# KiCad board SCART_switcher.kicad_pcb
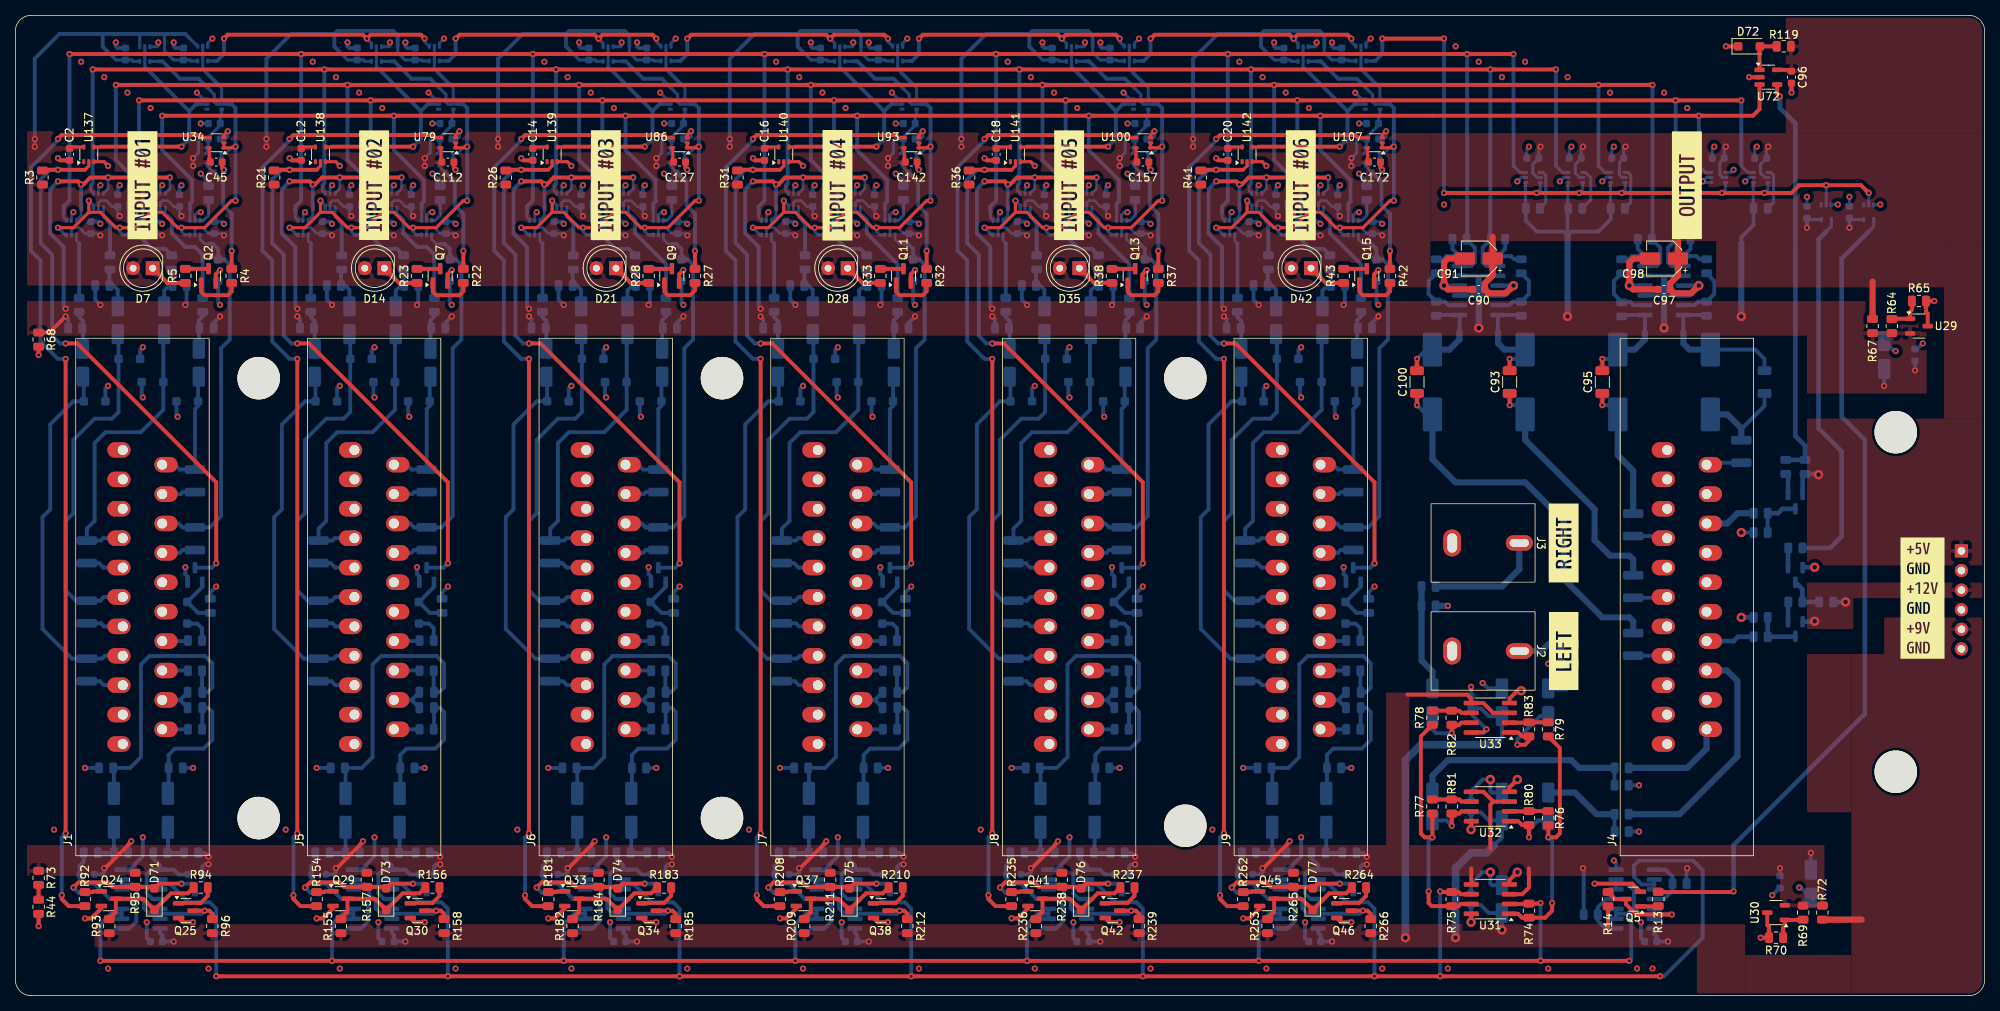
[diagram p0: board, top side]
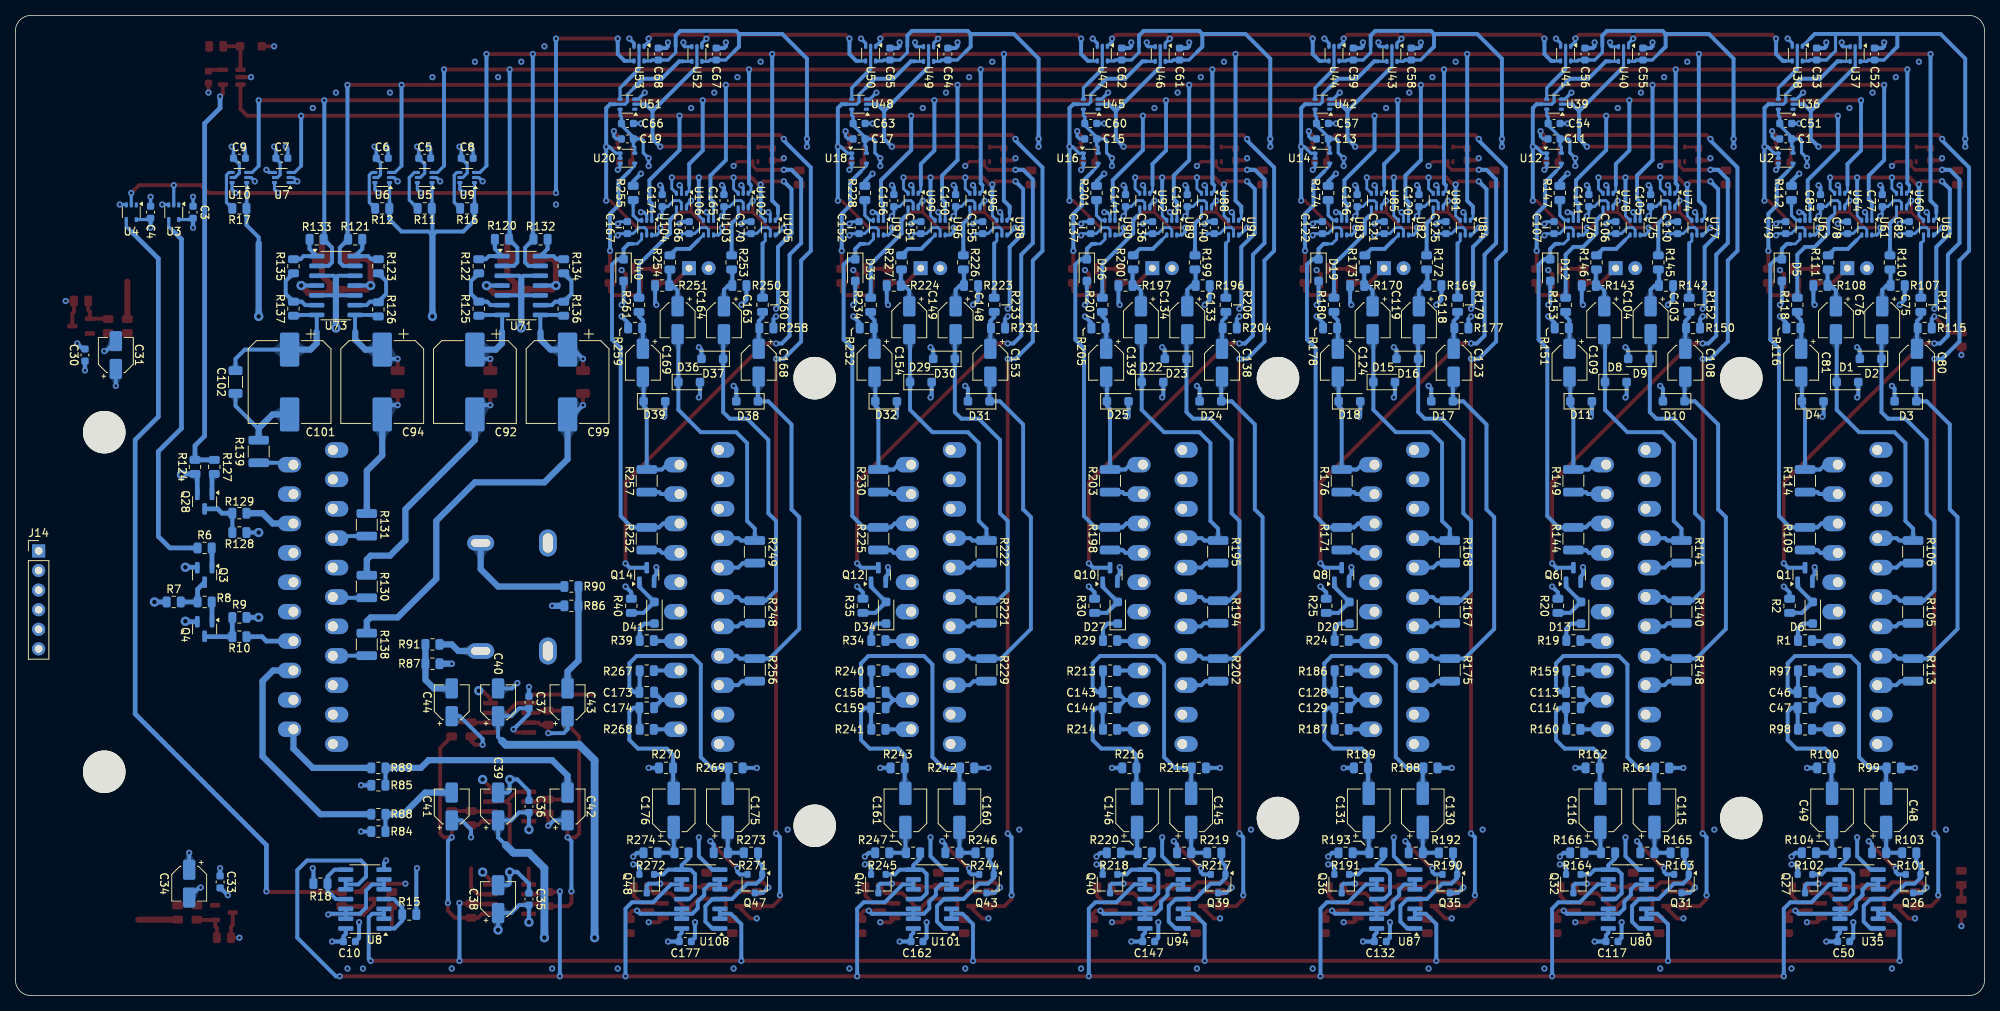
[diagram p1: board, bottom side, seen from below]

Outline 255 x 127 mm; copper layers: Top, In1.Cu (plane), In2.Cu (plane), Bottom. Coordinates in mm from the lower left corner of the outline.
Outline path: 0,125 0,2 arc(0.59,0.59) 2,0 253,0 arc(254.41,0.59) 255,2 255,125 arc(254.41,126.41) 253,127 2,127 arc(0.59,126.41) 0,125
Stack: Top 0.035mm / dielectric 0.2104mm FR4 er 4.5 / In1.Cu 0.0152mm / dielectric 1.065mm FR4 er 4.5 / In2.Cu 0.0152mm / dielectric 0.2104mm FR4 er 4.5 / Bottom 0.035mm

## Placement (name value [footprint] x y rotation side)
C1  100nC  [C_0603_1608Metric]  25.75 111 0 bottom
C2  100nC  [C_0603_1608Metric]  7 109 270 top
C3  100nC  [C_0603_1608Metric]  232 101.5 90 bottom
C4  100nC  [C_0603_1608Metric]  237.5 101.5 90 bottom
C5  100nC  [C_0603_1608Metric]  202 108.5 180 bottom
C6  100nC  [C_0603_1608Metric]  207.5 108.5 180 bottom
C7  100nC  [C_0603_1608Metric]  220.5 108.5 180 bottom
C8  100nC  [C_0603_1608Metric]  196.5 108.5 180 bottom
C9  100nC  [C_0603_1608Metric]  226 108.5 180 bottom
C10  100nC  [C_0603_1608Metric]  211.75 7 180 bottom
C11  100nC  [C_0603_1608Metric]  55.75 111 0 bottom
C12  100nC  [C_0603_1608Metric]  37 109 270 top
C13  100nC  [C_0603_1608Metric]  85.75 111 0 bottom
C14  100nC  [C_0603_1608Metric]  67 109 270 top
C15  100nC  [C_0603_1608Metric]  115.75 111 0 bottom
C16  100nC  [C_0603_1608Metric]  97 109 270 top
C17  100nC  [C_0603_1608Metric]  145.75 111 0 bottom
C18  100nC  [C_0603_1608Metric]  127 109 270 top
C19  100nC  [C_0603_1608Metric]  175.75 111 0 bottom
C20  100nC  [C_0603_1608Metric]  157 109 270 top
C30  100nC  [C_0603_1608Metric]  246 83 90 bottom
C31  10uC  [CP_Elec_4x5.4]  242 83 90 bottom
C33  100nC  [C_0603_1608Metric]  228.5 14.72 270 bottom
C34  10uC  [CP_Elec_4x5.4]  232.5 14.5 270 bottom
C35  100nC  [C_0603_1608Metric]  188.5 12.5 90 bottom
C36  100nC  [C_0603_1608Metric]  188.5 24.5 90 bottom
C37  100nC  [C_0603_1608Metric]  188.5 38 90 bottom
C38  10uC  [CP_Elec_4x5.4]  192.5 12.5 90 bottom
C39  10uC  [CP_Elec_4x5.4]  192.5 24.5 90 bottom
C40  10uC  [CP_Elec_4x5.4]  192.5 38 90 bottom
C41  10uC  [CP_Elec_4x5.4]  198.5 24.5 90 bottom
C42  10uC  [CP_Elec_4x5.4]  183.5 24.5 90 bottom
C43  10uC  [CP_Elec_4x5.4]  183.5 38 90 bottom
C44  10uC  [CP_Elec_4x5.4]  198.5 38 90 bottom
C45  100nC  [C_0603_1608Metric]  26 108 0 top
C46  1nC  [C_0805_2012Metric]  23.25 39.3 180 bottom
C47  1nC  [C_0805_2012Metric]  23.25 37.3 180 bottom
C48  22uC  [CP_Elec_5x5.4]  12.75 24 90 bottom
C49  22uC  [CP_Elec_5x5.4]  19.75 24 90 bottom
C50  100nC  [C_0603_1608Metric]  18.25 7 180 bottom
C51  100nC  [C_0603_1608Metric]  25.75 113 180 bottom
C52  100nC  [C_0603_1608Metric]  14.25 122 90 bottom
C53  100nC  [C_0603_1608Metric]  21.75 122 90 bottom
C54  100nC  [C_0603_1608Metric]  55.75 113 180 bottom
C55  100nC  [C_0603_1608Metric]  44.25 122 90 bottom
C56  100nC  [C_0603_1608Metric]  51.75 122 90 bottom
C57  100nC  [C_0603_1608Metric]  85.75 113 180 bottom
C58  100nC  [C_0603_1608Metric]  74.25 122 90 bottom
C59  100nC  [C_0603_1608Metric]  81.75 122 90 bottom
C60  100nC  [C_0603_1608Metric]  115.75 113 180 bottom
C61  100nC  [C_0603_1608Metric]  104.25 122 90 bottom
C62  100nC  [C_0603_1608Metric]  111.75 122 90 bottom
C63  100nC  [C_0603_1608Metric]  145.75 113 180 bottom
C64  100nC  [C_0603_1608Metric]  134.25 122 90 bottom
C65  100nC  [C_0603_1608Metric]  141.75 122 90 bottom
C66  100nC  [C_0603_1608Metric]  175.75 113 180 bottom
C67  100nC  [C_0603_1608Metric]  164.25 122 90 bottom
C68  100nC  [C_0603_1608Metric]  171.75 122 90 bottom
C75  47uC  [CP_Elec_4x5.8]  13.25 87.5 270 bottom
C76  47uC  [CP_Elec_4x5.8]  19.25 87.5 270 bottom
C77  100nC  [C_0603_1608Metric]  13.25 103 90 bottom
C78  100nC  [C_0603_1608Metric]  17.75 99.5 90 bottom
C79  100nC  [C_0603_1608Metric]  25.75 99.5 90 bottom
C80  47uC  [CP_Elec_4x5.8]  8.75 82 270 bottom
C81  47uC  [CP_Elec_4x5.8]  23.75 82 270 bottom
C82  100nC  [C_0603_1608Metric]  9.75 99.5 90 bottom
C83  100nC  [C_0603_1608Metric]  21.25 103 90 bottom
C90  100nC  [C_0603_1608Metric]  189.5 91.5 180 top
C91  10uC  [CP_Elec_4x5.4]  189.5 95.5 180 top
C92  1000uC  [CP_Elec_10x10.5]  195.5 79.5 270 bottom
C93  100nC  [C_1206_3216Metric]  193.5 79.5 90 top
C94  1000uC  [CP_Elec_10x10.5]  207.5 79.5 270 bottom
C95  100nC  [C_1206_3216Metric]  205.5 79.5 90 top
C96  100nC  [C_0603_1608Metric]  230 119 270 top
C97  100nC  [C_0603_1608Metric]  213.5 91.5 180 top
C98  10uC  [CP_Elec_4x5.4]  213.5 95.5 180 top
C99  1000uC  [CP_Elec_10x10.5]  183.5 79.5 270 bottom
C100  100nC  [C_1206_3216Metric]  181.5 79.5 90 top
C101  1000uC  [CP_Elec_10x10.5]  219.5 79.5 270 bottom
C102  100nC  [C_1206_3216Metric]  226.5 79.5 90 bottom
C103  47uC  [CP_Elec_4x5.8]  43.25 87.5 270 bottom
C104  47uC  [CP_Elec_4x5.8]  49.25 87.5 270 bottom
C105  100nC  [C_0603_1608Metric]  43.25 103 90 bottom
C106  100nC  [C_0603_1608Metric]  47.75 99.5 90 bottom
C107  100nC  [C_0603_1608Metric]  55.75 99.5 90 bottom
C108  47uC  [CP_Elec_4x5.8]  38.75 82 270 bottom
C109  47uC  [CP_Elec_4x5.8]  53.75 82 270 bottom
C110  100nC  [C_0603_1608Metric]  39.75 99.5 90 bottom
C111  100nC  [C_0603_1608Metric]  51.25 103 90 bottom
C112  100nC  [C_0603_1608Metric]  56 108 0 top
C113  1nC  [C_0805_2012Metric]  53.25 39.3 180 bottom
C114  1nC  [C_0805_2012Metric]  53.25 37.3 180 bottom
C115  22uC  [CP_Elec_5x5.4]  42.75 24 90 bottom
C116  22uC  [CP_Elec_5x5.4]  49.75 24 90 bottom
C117  100nC  [C_0603_1608Metric]  48.25 7 180 bottom
C118  47uC  [CP_Elec_4x5.8]  73.25 87.5 270 bottom
C119  47uC  [CP_Elec_4x5.8]  79.25 87.5 270 bottom
C120  100nC  [C_0603_1608Metric]  73.25 103 90 bottom
C121  100nC  [C_0603_1608Metric]  77.75 99.5 90 bottom
C122  100nC  [C_0603_1608Metric]  85.75 99.5 90 bottom
C123  47uC  [CP_Elec_4x5.8]  68.75 82 270 bottom
C124  47uC  [CP_Elec_4x5.8]  83.75 82 270 bottom
C125  100nC  [C_0603_1608Metric]  69.75 99.5 90 bottom
C126  100nC  [C_0603_1608Metric]  81.25 103 90 bottom
C127  100nC  [C_0603_1608Metric]  86 108 0 top
C128  1nC  [C_0805_2012Metric]  83.25 39.3 180 bottom
C129  1nC  [C_0805_2012Metric]  83.25 37.3 180 bottom
C130  22uC  [CP_Elec_5x5.4]  72.75 24 90 bottom
C131  22uC  [CP_Elec_5x5.4]  79.75 24 90 bottom
C132  100nC  [C_0603_1608Metric]  78.25 7 180 bottom
C133  47uC  [CP_Elec_4x5.8]  103.25 87.5 270 bottom
C134  47uC  [CP_Elec_4x5.8]  109.25 87.5 270 bottom
C135  100nC  [C_0603_1608Metric]  103.25 103 90 bottom
C136  100nC  [C_0603_1608Metric]  107.75 99.5 90 bottom
C137  100nC  [C_0603_1608Metric]  115.75 99.5 90 bottom
C138  47uC  [CP_Elec_4x5.8]  98.75 82 270 bottom
C139  47uC  [CP_Elec_4x5.8]  113.75 82 270 bottom
C140  100nC  [C_0603_1608Metric]  99.75 99.5 90 bottom
C141  100nC  [C_0603_1608Metric]  111.25 103 90 bottom
C142  100nC  [C_0603_1608Metric]  116 108 0 top
C143  1nC  [C_0805_2012Metric]  113.25 39.3 180 bottom
C144  1nC  [C_0805_2012Metric]  113.25 37.3 180 bottom
C145  22uC  [CP_Elec_5x5.4]  102.75 24 90 bottom
C146  22uC  [CP_Elec_5x5.4]  109.75 24 90 bottom
C147  100nC  [C_0603_1608Metric]  108.25 7 180 bottom
C148  47uC  [CP_Elec_4x5.8]  133.25 87.5 270 bottom
C149  47uC  [CP_Elec_4x5.8]  139.25 87.5 270 bottom
C150  100nC  [C_0603_1608Metric]  133.25 103 90 bottom
C151  100nC  [C_0603_1608Metric]  137.75 99.5 90 bottom
C152  100nC  [C_0603_1608Metric]  145.75 99.5 90 bottom
C153  47uC  [CP_Elec_4x5.8]  128.75 82 270 bottom
C154  47uC  [CP_Elec_4x5.8]  143.75 82 270 bottom
C155  100nC  [C_0603_1608Metric]  129.75 99.5 90 bottom
C156  100nC  [C_0603_1608Metric]  141.25 103 90 bottom
C157  100nC  [C_0603_1608Metric]  146 108 0 top
C158  1nC  [C_0805_2012Metric]  143.25 39.3 180 bottom
C159  1nC  [C_0805_2012Metric]  143.25 37.3 180 bottom
C160  22uC  [CP_Elec_5x5.4]  132.75 24 90 bottom
C161  22uC  [CP_Elec_5x5.4]  139.75 24 90 bottom
C162  100nC  [C_0603_1608Metric]  138.25 7 180 bottom
C163  47uC  [CP_Elec_4x5.8]  163.25 87.5 270 bottom
C164  47uC  [CP_Elec_4x5.8]  169.25 87.5 270 bottom
C165  100nC  [C_0603_1608Metric]  163.25 103 90 bottom
C166  100nC  [C_0603_1608Metric]  167.75 99.5 90 bottom
C167  100nC  [C_0603_1608Metric]  175.75 99.5 90 bottom
C168  47uC  [CP_Elec_4x5.8]  158.75 82 270 bottom
C169  47uC  [CP_Elec_4x5.8]  173.75 82 270 bottom
C170  100nC  [C_0603_1608Metric]  159.75 99.5 90 bottom
C171  100nC  [C_0603_1608Metric]  171.25 103 90 bottom
C172  100nC  [C_0603_1608Metric]  176 108 0 top
C173  1nC  [C_0805_2012Metric]  173.25 39.3 180 bottom
C174  1nC  [C_0805_2012Metric]  173.25 37.3 180 bottom
C175  22uC  [CP_Elec_5x5.4]  162.75 24 90 bottom
C176  22uC  [CP_Elec_5x5.4]  169.75 24 90 bottom
C177  100nC  [C_0603_1608Metric]  168.25 7 180 bottom
D1  BZT52H-B6V8  [D_SOD-123F]  17.75 79.5 180 bottom
D2  BZT52H-B6V8  [D_SOD-123F]  14.75 82.5 0 bottom
D3  BZT52H-B6V8  [D_SOD-123F]  10.25 77 0 bottom
D4  BZT52H-B6V8  [D_SOD-123F]  22.25 77 180 bottom
D5  BZT52H-B6V8  [D_SOD-123F]  26.25 94 270 bottom
D6  BZT52H-C3V3  [D_SOD-123F]  22.25 49.6 90 bottom
D7  LED  [LED_D5.0mm]  17.77 94.25 180 top
D8  BZT52H-B6V8  [D_SOD-123F]  47.75 79.5 180 bottom
D9  BZT52H-B6V8  [D_SOD-123F]  44.75 82.5 0 bottom
D10  BZT52H-B6V8  [D_SOD-123F]  40.25 77 0 bottom
D11  BZT52H-B6V8  [D_SOD-123F]  52.25 77 180 bottom
D12  BZT52H-B6V8  [D_SOD-123F]  56.25 94 270 bottom
D13  BZT52H-C3V3  [D_SOD-123F]  52.25 49.6 90 bottom
D14  LED  [LED_D5.0mm]  47.77 94.25 180 top
D15  BZT52H-B6V8  [D_SOD-123F]  77.75 79.5 180 bottom
D16  BZT52H-B6V8  [D_SOD-123F]  74.75 82.5 0 bottom
D17  BZT52H-B6V8  [D_SOD-123F]  70.25 77 0 bottom
D18  BZT52H-B6V8  [D_SOD-123F]  82.25 77 180 bottom
D19  BZT52H-B6V8  [D_SOD-123F]  86.25 94 270 bottom
D20  BZT52H-C3V3  [D_SOD-123F]  82.25 49.6 90 bottom
D21  LED  [LED_D5.0mm]  77.77 94.25 180 top
D22  BZT52H-B6V8  [D_SOD-123F]  107.75 79.5 180 bottom
D23  BZT52H-B6V8  [D_SOD-123F]  104.75 82.5 0 bottom
D24  BZT52H-B6V8  [D_SOD-123F]  100.25 77 0 bottom
D25  BZT52H-B6V8  [D_SOD-123F]  112.25 77 180 bottom
D26  BZT52H-B6V8  [D_SOD-123F]  116.25 94 270 bottom
D27  BZT52H-C3V3  [D_SOD-123F]  112.25 49.6 90 bottom
D28  LED  [LED_D5.0mm]  107.77 94.25 180 top
D29  BZT52H-B6V8  [D_SOD-123F]  137.75 79.5 180 bottom
D30  BZT52H-B6V8  [D_SOD-123F]  134.75 82.5 0 bottom
D31  BZT52H-B6V8  [D_SOD-123F]  130.25 77 0 bottom
D32  BZT52H-B6V8  [D_SOD-123F]  142.25 77 180 bottom
D33  BZT52H-B6V8  [D_SOD-123F]  146.25 94 270 bottom
D34  BZT52H-C3V3  [D_SOD-123F]  142.25 49.6 90 bottom
D35  LED  [LED_D5.0mm]  137.77 94.25 180 top
D36  BZT52H-B6V8  [D_SOD-123F]  167.75 79.5 180 bottom
D37  BZT52H-B6V8  [D_SOD-123F]  164.75 82.5 0 bottom
D38  BZT52H-B6V8  [D_SOD-123F]  160.25 77 0 bottom
D39  BZT52H-B6V8  [D_SOD-123F]  172.25 77 180 bottom
D40  BZT52H-B6V8  [D_SOD-123F]  176.25 94 270 bottom
D41  BZT52H-C3V3  [D_SOD-123F]  172.25 49.6 90 bottom
D42  LED  [LED_D5.0mm]  167.77 94.25 180 top
D71  BAS16H  [D_SOD-123F]  18 12.5 90 top
D72  BAS16H  [D_SOD-123F]  224.5 123 0 top
D73  BAS16H  [D_SOD-123F]  48 12.5 90 top
D74  BAS16H  [D_SOD-123F]  78 12.5 90 top
D75  BAS16H  [D_SOD-123F]  108 12.5 90 top
D76  BAS16H  [D_SOD-123F]  138 12.5 90 top
D77  BAS16H  [D_SOD-123F]  168 12.5 90 top
H1  MountingHole  [MountingHole_5.5mm]  243.5 29 0 top
H2  MountingHole  [MountingHole_5.5mm]  31.5 80 0 top
H3  MountingHole  [MountingHole_5.5mm]  151.5 80 0 top
H4  MountingHole  [MountingHole_5.5mm]  151.5 22 0 top
H5  MountingHole  [MountingHole_5.5mm]  243.5 73 0 top
H6  MountingHole  [MountingHole_5.5mm]  31.5 23 0 top
H7  MountingHole  [MountingHole_5.5mm]  91.5 80 0 top
H8  MountingHole  [MountingHole_5.5mm]  91.5 23 0 top
J1  -  [SCART-F]  16.45 51.65 90 top
J2  RCA Left  [RCA_Vertical]  191.45 44.65 270 top
J3  RCA Right  [RCA_Vertical]  191.45 58.65 270 top
J4  -  [SCART-F]  216.45 51.65 90 top
J5  -  [SCART-F]  46.45 51.65 90 top
J6  -  [SCART-F]  76.45 51.65 90 top
J7  -  [SCART-F]  106.45 51.65 90 top
J8  -  [SCART-F]  136.45 51.65 90 top
J9  -  [SCART-F]  166.45 51.65 90 top
J14  Conn_01x06  [PinHeader_1x06_P2.54mm_Vertical]  252 57.62 180 bottom
kibuzzard-67A3D3AE  G***  [kibuzzard-67A3D3AE]  246.96 51.5 0 top
kibuzzard-673FB8B3  G***  [kibuzzard-673FB8B3]  16.45 105 90 top
kibuzzard-673FB8DE  G***  [kibuzzard-673FB8DE]  46.45 105 90 top
kibuzzard-673FB8E5  G***  [kibuzzard-673FB8E5]  76.45 105 90 top
kibuzzard-673FB8EB  G***  [kibuzzard-673FB8EB]  106.45 105 90 top
kibuzzard-673FB8F2  G***  [kibuzzard-673FB8F2]  136.45 105 90 top
kibuzzard-673FB8F9  G***  [kibuzzard-673FB8F9]  166.45 105 90 top
kibuzzard-679FFD7E  G***  [kibuzzard-679FFD7E]  216.45 105 90 top
kibuzzard-6741F3EA  G***  [kibuzzard-6741F3EA]  200.5 58.65 90 top
kibuzzard-6741F401  G***  [kibuzzard-6741F401]  200.5 44.65 90 top
Q1  BC847  [SOT-23]  23.25 54.5 90 bottom
Q2  BC847  [SOT-23]  25 93.25 90 top
Q3  BC847  [SOT-23]  230.5 54.5 270 bottom
Q4  BC857  [SOT-23]  230.5 47.5 270 bottom
Q5  BC847  [SOT-23]  209.5 12.5 180 top
Q6  BC847  [SOT-23]  53.25 54.5 90 bottom
Q7  BC847  [SOT-23]  55 93.25 90 top
Q8  BC847  [SOT-23]  83.25 54.5 90 bottom
Q9  BC847  [SOT-23]  85 93.25 90 top
Q10  BC847  [SOT-23]  113.25 54.5 90 bottom
Q11  BC847  [SOT-23]  115 93.25 90 top
Q12  BC847  [SOT-23]  143.25 54.5 90 bottom
Q13  BC847  [SOT-23]  145 93.25 90 top
Q14  BC847  [SOT-23]  173.25 54.5 90 bottom
Q15  BC847  [SOT-23]  175 93.25 90 top
Q24  BC847  [SOT-23]  12.06 12.55 0 top
Q25  BC847  [SOT-23]  22.06 11 0 top
Q26  2SK209  [SC-59]  9.25 14.5 270 bottom
Q27  2SK209  [SC-59]  23.25 14.5 270 bottom
Q28  BC857  [SOT-23]  230.5 64 270 bottom
Q29  BC847  [SOT-23]  42.06 12.55 0 top
Q30  BC847  [SOT-23]  52.06 11 0 top
Q31  2SK209  [SC-59]  39.25 14.5 270 bottom
Q32  2SK209  [SC-59]  53.25 14.5 270 bottom
Q33  BC847  [SOT-23]  72.06 12.55 0 top
Q34  BC847  [SOT-23]  82.06 11 0 top
Q35  2SK209  [SC-59]  69.25 14.5 270 bottom
Q36  2SK209  [SC-59]  83.25 14.5 270 bottom
Q37  BC847  [SOT-23]  102.06 12.55 0 top
Q38  BC847  [SOT-23]  112.06 11 0 top
Q39  2SK209  [SC-59]  99.25 14.5 270 bottom
Q40  2SK209  [SC-59]  113.25 14.5 270 bottom
Q41  BC847  [SOT-23]  132.06 12.55 0 top
Q42  BC847  [SOT-23]  142.06 11 0 top
Q43  2SK209  [SC-59]  129.25 14.5 270 bottom
Q44  2SK209  [SC-59]  143.25 14.5 270 bottom
Q45  BC847  [SOT-23]  162.06 12.55 0 top
Q46  BC847  [SOT-23]  172.06 11 0 top
Q47  2SK209  [SC-59]  159.25 14.5 270 bottom
Q48  2SK209  [SC-59]  173.25 14.5 270 bottom
R1  10kR  [R_0805_2012Metric]  23.25 46 0 bottom
R2  220kR  [R_0805_2012Metric]  25.25 50.5 90 bottom
R3  4k7R  [R_0805_2012Metric]  3.5 106 90 top
R4  4k7R  [R_0805_2012Metric]  28 93.25 270 top
R5  300R  [R_0805_2012Metric]  22 93.25 90 top
R6  10kR  [R_0805_2012Metric]  230.5 58 180 bottom
R7  10kR  [R_0805_2012Metric]  234.5 51 180 bottom
R8  10kR  [R_0805_2012Metric]  230.5 51 180 bottom
R9  100kR  [R_0805_2012Metric]  226 49 180 bottom
R10  100R  [R_0805_2012Metric]  226 46.5 180 bottom
R11  100kR  [R_0805_2012Metric]  202 102 180 bottom
R12  100kR  [R_0805_2012Metric]  207.5 102 180 bottom
R13  10kR  [R_0805_2012Metric]  212.75 12.5 270 top
R14  4k7R  [R_0805_2012Metric]  206.25 12.5 90 top
R15  100kR  [R_0805_2012Metric]  204 10.5 180 bottom
R16  100kR  [R_0805_2012Metric]  196.5 102 180 bottom
R17  100kR  [R_0805_2012Metric]  226 102 180 bottom
R18  100kR  [R_0805_2012Metric]  215.5 14.5 0 bottom
R19  10kR  [R_0805_2012Metric]  53.25 46 0 bottom
R20  220kR  [R_0805_2012Metric]  55.25 50.5 90 bottom
R21  4k7R  [R_0805_2012Metric]  33.5 106 90 top
R22  4k7R  [R_0805_2012Metric]  58 93.25 270 top
R23  300R  [R_0805_2012Metric]  52 93.25 90 top
R24  10kR  [R_0805_2012Metric]  83.25 46 0 bottom
R25  220kR  [R_0805_2012Metric]  85.25 50.5 90 bottom
R26  4k7R  [R_0805_2012Metric]  63.5 106 90 top
R27  4k7R  [R_0805_2012Metric]  88 93.25 270 top
R28  300R  [R_0805_2012Metric]  82 93.25 90 top
R29  10kR  [R_0805_2012Metric]  113.25 46 0 bottom
R30  220kR  [R_0805_2012Metric]  115.25 50.5 90 bottom
R31  4k7R  [R_0805_2012Metric]  93.5 106 90 top
R32  4k7R  [R_0805_2012Metric]  118 93.25 270 top
R33  300R  [R_0805_2012Metric]  112 93.25 90 top
R34  10kR  [R_0805_2012Metric]  143.25 46 0 bottom
R35  220kR  [R_0805_2012Metric]  145.25 50.5 90 bottom
R36  4k7R  [R_0805_2012Metric]  123.5 106 90 top
R37  4k7R  [R_0805_2012Metric]  148 93.25 270 top
R38  300R  [R_0805_2012Metric]  142 93.25 90 top
R39  10kR  [R_0805_2012Metric]  173.25 46 0 bottom
R40  220kR  [R_0805_2012Metric]  175.25 50.5 90 bottom
R41  4k7R  [R_0805_2012Metric]  153.5 106 90 top
R42  4k7R  [R_0805_2012Metric]  178 93.25 270 top
R43  300R  [R_0805_2012Metric]  172 93.25 90 top
R44  1kR  [R_0805_2012Metric]  3 11.5 270 top
R64  976R  [R_0805_2012Metric]  243 86.75 90 top
R65  1kR  [R_0805_2012Metric]  246.5 90 0 top
R67  523R  [R_0805_2012Metric]  240.5 86.75 270 top
R68  1kR  [R_0805_2012Metric]  3 85 270 top
R69  374R  [R_0805_2012Metric]  231.5 10.75 270 top
R70  1kR  [R_0805_2012Metric]  228 7.5 180 top
R72  681R  [R_0805_2012Metric]  234 10.75 90 top
R73  1kR  [R_0805_2012Metric]  3 15.25 270 top
R74  20kR  [R_0805_2012Metric]  196 11 270 top
R75  20kR  [R_0805_2012Metric]  186 12.5 270 top
R76  20kR  [R_0805_2012Metric]  198.5 23 90 top
R77  20kR  [R_0805_2012Metric]  183.5 24.5 90 top
R78  20kR  [R_0805_2012Metric]  183.5 36 90 top
R79  20kR  [R_0805_2012Metric]  198.5 34.5 90 top
R80  20kR  [R_0805_2012Metric]  196 23 270 top
R81  20kR  [R_0805_2012Metric]  186 24.5 270 top
R82  20kR  [R_0805_2012Metric]  186 36 270 top
R83  20kR  [R_0805_2012Metric]  196 34.5 270 top
R84  220kR  [R_0805_2012Metric]  208 21.25 0 bottom
R85  220kR  [R_0805_2012Metric]  208 27.25 0 bottom
R86  220kR  [R_0805_2012Metric]  183 50.5 0 bottom
R87  220kR  [R_0805_2012Metric]  201 43 180 bottom
R88  100R  [R_0805_2012Metric]  208 23.5 0 bottom
R89  100R  [R_0805_2012Metric]  208 29.5 0 bottom
R90  100R  [R_0805_2012Metric]  183 53 0 bottom
R91  100R  [R_0805_2012Metric]  201 45.5 180 bottom
R92  10kR  [R_0805_2012Metric]  9 12.5 90 top
R93  4k7R  [R_0805_2012Metric]  12.15 9 90 top
R94  10kR  [R_0805_2012Metric]  24 14 0 top
R95  220kR  [R_0805_2012Metric]  15.5 15 90 top
R96  4k7R  [R_0805_2012Metric]  25.5 9 90 top
R97  100R  [R_0805_2012Metric]  23.25 42.1 0 bottom
R98  100R  [R_0805_2012Metric]  23.25 34.5 0 bottom
R99  220kR  [R_0805_2012Metric]  11.75 29.5 180 bottom
R100  220kR  [R_0805_2012Metric]  20.75 29.5 0 bottom
R101  100kR  [R_0805_2012Metric]  13.66 18.5 0 bottom
R102  100kR  [R_0805_2012Metric]  22.75 18.5 0 bottom
R103  20kR  [R_0805_2012Metric]  9.75 18.5 180 bottom
R104  20kR  [R_0805_2012Metric]  18.75 18.5 180 bottom
R105  75R  [R_1210_3225Metric]  9.25 49.7 270 bottom
R106  75R  [R_1210_3225Metric]  9.25 57.5 270 bottom
R107  100kR  [R_0805_2012Metric]  11.25 92 180 bottom
R108  100kR  [R_0805_2012Metric]  21.25 92 0 bottom
R109  75R  [R_1210_3225Metric]  23.25 59.2 270 bottom
R110  1kR  [R_0805_2012Metric]  12.25 95 90 bottom
R111  1kR  [R_0805_2012Metric]  20.25 95 90 bottom
R112  10kR  [R_0805_2012Metric]  25 104 90 bottom
R113  75R  [R_1210_3225Metric]  9.25 42.2 270 bottom
R114  75R  [R_1210_3225Metric]  23.25 66.7 270 bottom
R115  100kR  [R_0805_2012Metric]  7.75 86.5 180 bottom
R116  100kR  [R_0805_2012Metric]  24.75 86.5 0 bottom
R117  1kR  [R_0805_2012Metric]  8.25 89.5 90 bottom
R118  1kR  [R_0805_2012Metric]  24.25 89.5 90 bottom
R119  4k7R  [R_0805_2012Metric]  229 123 180 top
R120  1kR  [R_0805_2012Metric]  192 98 0 bottom
R121  1kR  [R_0805_2012Metric]  211 98 180 bottom
R122  1kR  [R_0805_2012Metric]  195 94.5 270 bottom
R123  1kR  [R_0805_2012Metric]  208 94.5 270 bottom
R124  4k7R  [R_0805_2012Metric]  231.75 68.5 90 bottom
R125  2kR  [R_0805_2012Metric]  195 89 270 bottom
R126  2kR  [R_0805_2012Metric]  208 88.91 270 bottom
R127  10kR  [R_0805_2012Metric]  229.25 68.5 270 bottom
R128  100kR  [R_0805_2012Metric]  226 60 180 bottom
R129  100R  [R_0805_2012Metric]  226 62.5 0 bottom
R130  75R  [R_1210_3225Metric]  209.5 53 270 bottom
R131  75R  [R_1210_3225Metric]  209.5 61 270 bottom
R132  1kR  [R_0805_2012Metric]  187 98 180 bottom
R133  1kR  [R_0805_2012Metric]  216 98 0 bottom
R134  1kR  [R_0805_2012Metric]  184 94.5 270 bottom
R135  1kR  [R_0805_2012Metric]  219 94.5 270 bottom
R136  2kR  [R_0805_2012Metric]  184 89 270 bottom
R137  2kR  [R_0805_2012Metric]  219 89 270 bottom
R138  75R  [R_1210_3225Metric]  209.5 45.5 270 bottom
R139  75R  [R_1210_3225Metric]  223.5 70.5 270 bottom
R140  75R  [R_1210_3225Metric]  39.25 49.7 270 bottom
R141  75R  [R_1210_3225Metric]  39.25 57.5 270 bottom
R142  100kR  [R_0805_2012Metric]  41.25 92 180 bottom
R143  100kR  [R_0805_2012Metric]  51.25 92 0 bottom
R144  75R  [R_1210_3225Metric]  53.25 59.2 270 bottom
R145  1kR  [R_0805_2012Metric]  42.25 95 90 bottom
R146  1kR  [R_0805_2012Metric]  50.25 95 90 bottom
R147  10kR  [R_0805_2012Metric]  55 104 90 bottom
R148  75R  [R_1210_3225Metric]  39.25 42.2 270 bottom
R149  75R  [R_1210_3225Metric]  53.25 66.7 270 bottom
R150  100kR  [R_0805_2012Metric]  37.75 86.5 180 bottom
R151  100kR  [R_0805_2012Metric]  54.75 86.5 0 bottom
R152  1kR  [R_0805_2012Metric]  38.25 89.5 90 bottom